# Altium PCB LAB_B3_209_V1.PcbDoc (part 3 of 4)
Units mm, origin at the board's own origin, x right, y up, seen from the top; angles counter-clockwise.
Board outline 104.65 x 97.92 mm, 6 copper layers (L1-SIG, L2-GND, L3-VCC, L4-SIG, L5-GND, L6-SIG), stack 0.63 mm thick; 372 components, 284 nets, 1235 pads, 998 vias.
Unrouted connection lines stored in the file: 2.
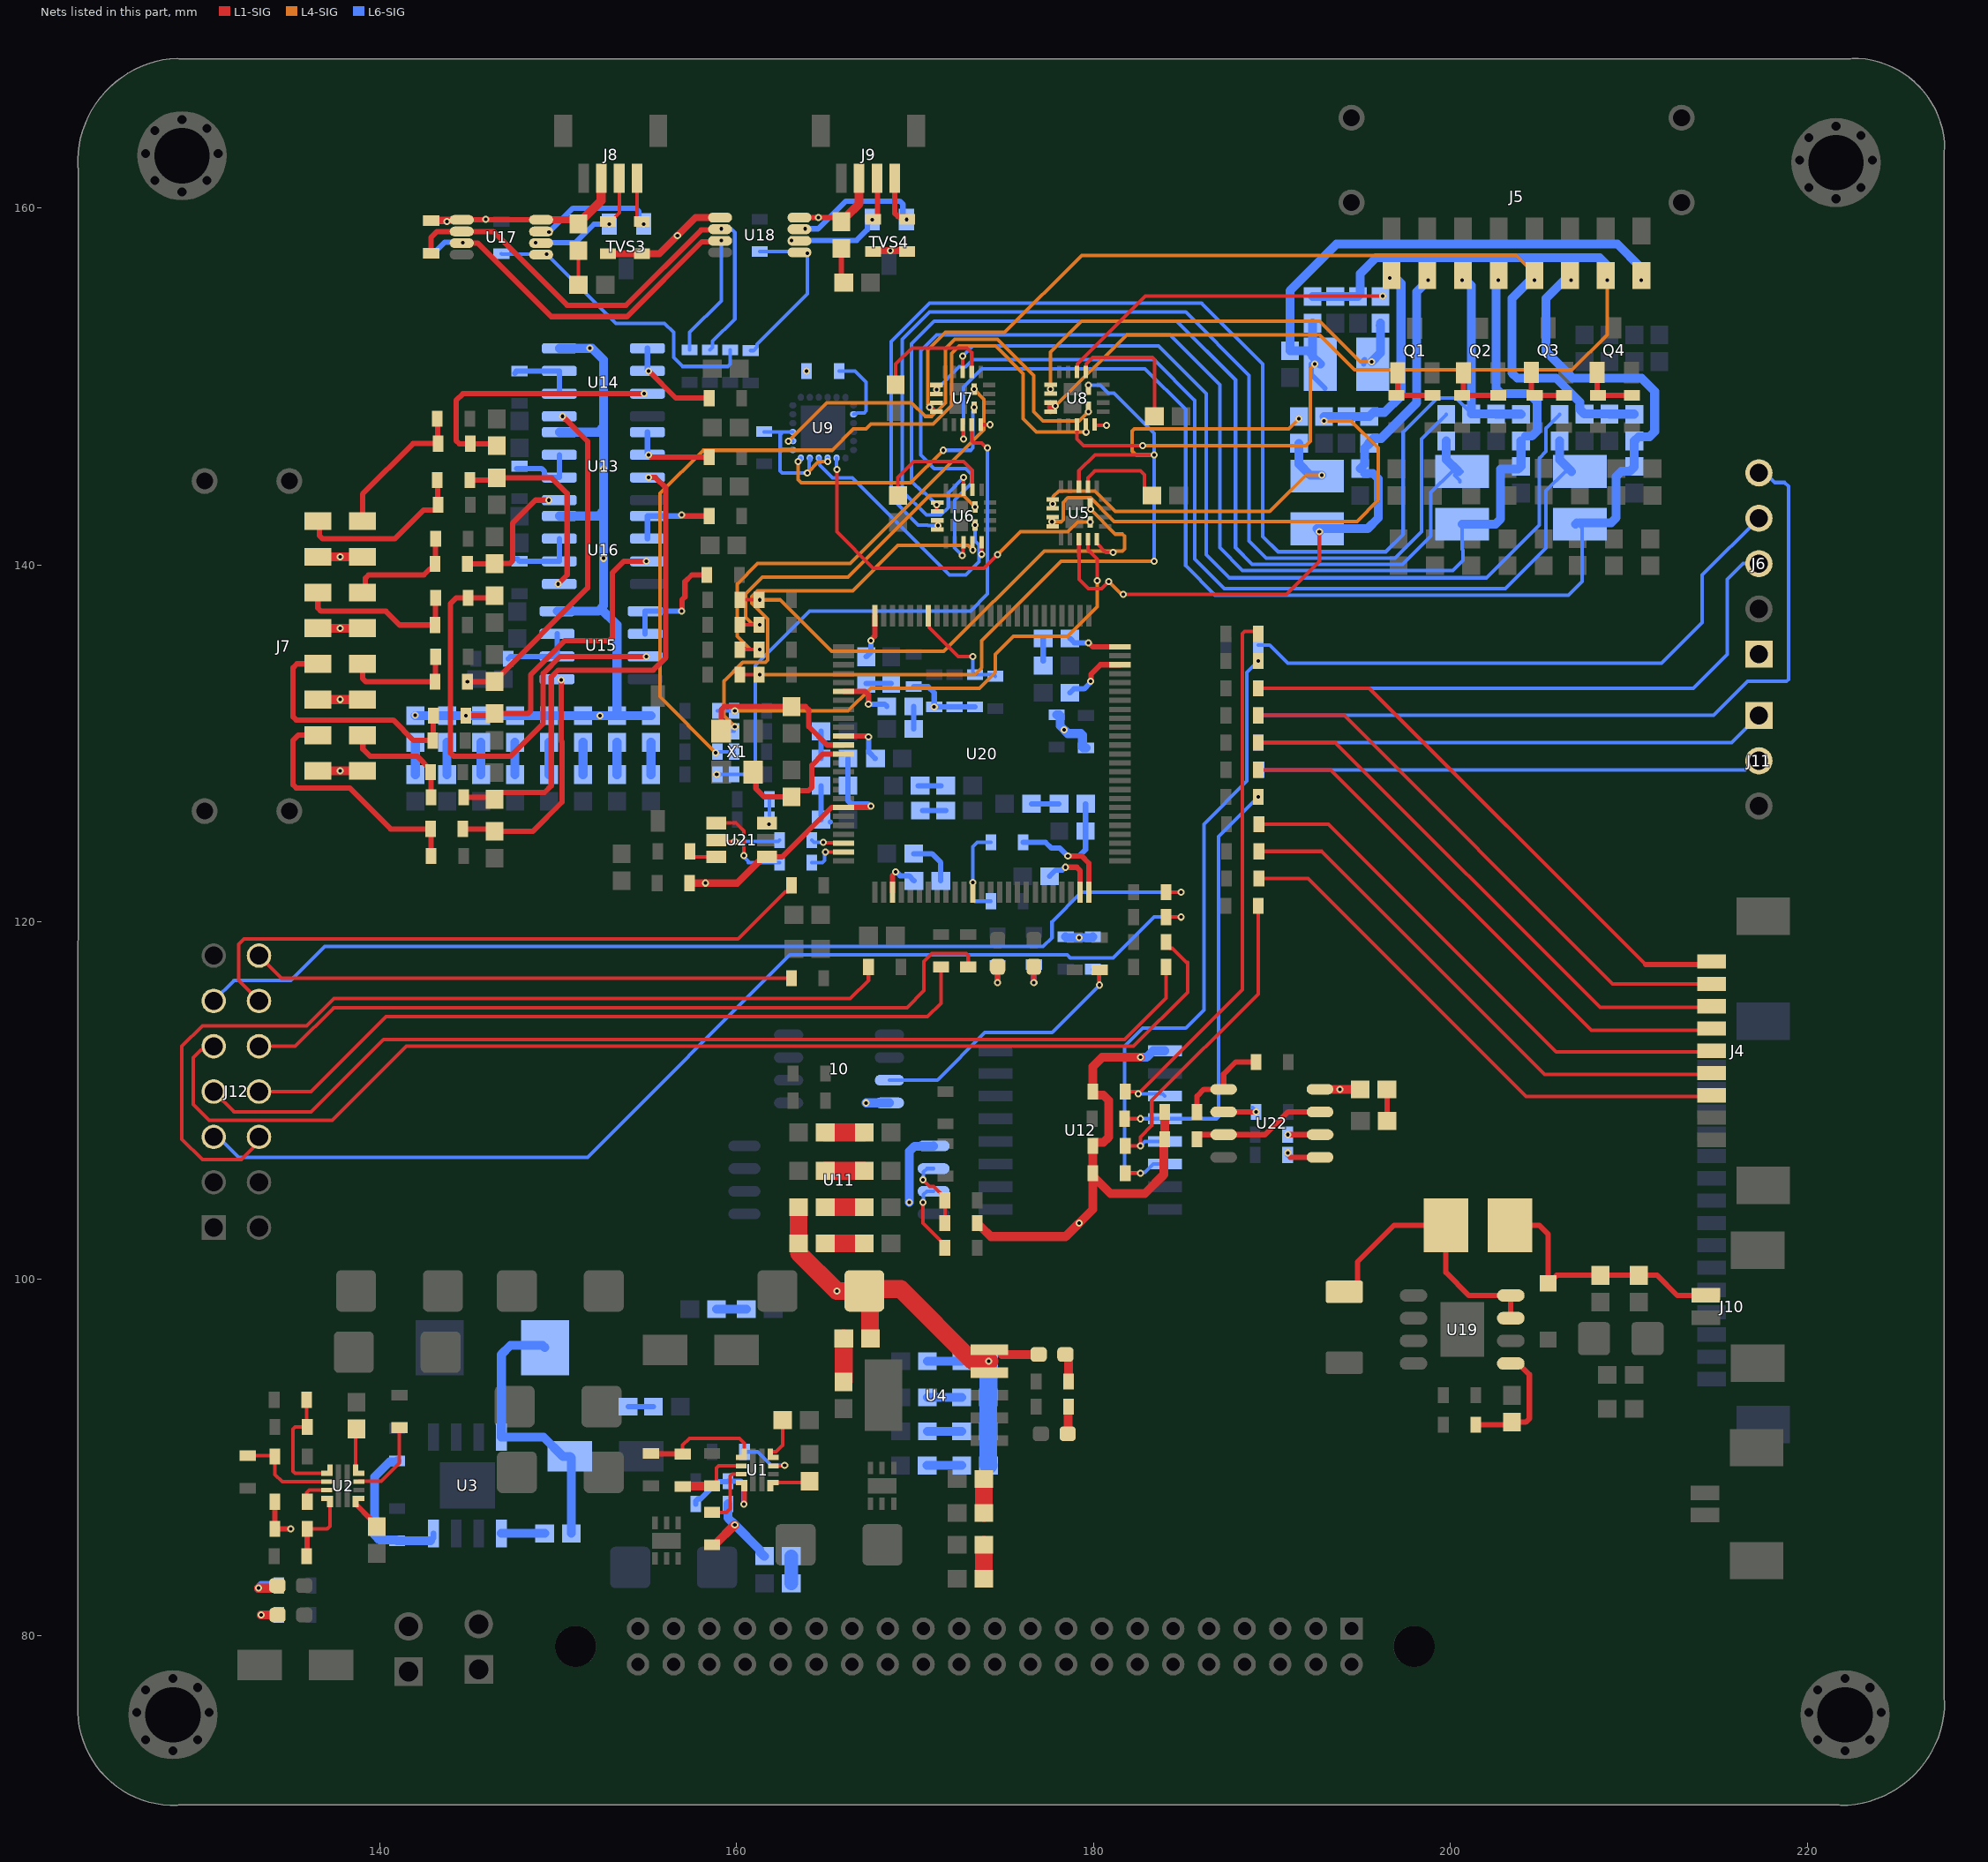
[diagram p7: the nets of this part, all layers, seen from the top]

## Via types
v1: diameter 0.4/0.4/0.4/0.4/0.4/0.4 (per signal layer), hole 0.2, L1-SIG to L6-SIG, tented both sides, 612 vias
v2: diameter 0.4, hole 0.2, L1-SIG to L6-SIG, tented both sides, 205 vias
v3: diameter 0.4, hole 0.2, L1-SIG to L2-GND, tented both sides, 46 vias
v4: diameter 0.4, hole 0.2, L5-GND to L6-SIG, tented both sides, 33 vias
v5: diameter 0.4, hole 0.2, L1-SIG to L4-SIG, tented both sides, 32 vias
v6: diameter 0.4, hole 0.2, L4-SIG to L6-SIG, tented both sides, 28 vias
v7: diameter 0.4, hole 0.2, L1-SIG to L3-VCC, tented both sides, 16 vias
v8: diameter 0.4, hole 0.2, L3-VCC to L6-SIG, tented both sides, 14 vias
v9: diameter 0.5, hole 0.2, L1-SIG to L6-SIG, tented both sides, 6 vias
v10: diameter 0.5, hole 0.2, L1-SIG to L2-GND, tented both sides, 6 vias

## Nets (pads, with @x,y where several pads share a name; then routed paths per layer and width w, separated by ;. In a path a pad name is that pad's centre, name@x,y a point inside that pad or via, vN(x,y) a via of type N, cw(c..) or ccw(c..) an arc to the next point about the centre after c; other vN are vias at no path point) (continued)
Net10_7: 10.7 R40.1 R44.2 | length 16
  L1-SIG w0.2: v2(180.34,116.459) R44.2@180.34,117.31
  L6-SIG w0.2: 10.7@168.56,111.125 171.243,111.125 173.91,113.792 177.673,113.792 v2(180.34,116.459) 180.309,116.49 180.309,117.148 180.109,117.348 R40.1@179.959,117.348
NetC3_2: C3.2 U1.7 | length 2.2
  L1-SIG w0.2: U1.7@161.883,88.406 U1.7@162.008,88.531 ; U1.7@162.058,88.581 C3.2@164.083,88.581
NetC4_2: C4.2 U1.10 | length 2.4
  L1-SIG w0.2: U1.10@161.883,90.156 161.883,90.263 161.933,90.313 162.216,90.313 162.571,90.668 C4.2@162.571,92.075
NetC5_1: C5.1 D2.2 L1.1 U3.8 | length 16
  L6-SIG w0.5: L1.1@149.253,96.139 149.126,96.266 147.319,96.266 146.811,95.758 U3.8@146.811,91.125 149.171,91.125 150.253,90.043 D2.2@150.653,90.043 150.736,89.96 C5.1@150.736,85.725
NetC5_2: C5.2 U3.1 | length 2.4
  L6-SIG w0.5: U3.1@146.811,85.725 C5.2@149.236,85.725
NetC6_1: C6.1 C10.2 | length 1.4
  L6-SIG w0.3: C6.1@153.911,92.837 C10.2@155.332,92.837
NetC7_2: C7.2 C11.1 | length 1.9
  L1-SIG w1: C11.1@173.851,83.185 C7.2@173.851,85.09
NetC14_2: C14.2 U2.7 | length 1.9
  L1-SIG w0.3: U2.7@138.646,87.517 138.646,87.367 139.476,86.537 139.476,86.456 C14.2@139.826,86.106
NetC15_2: C15.2 U2.10 | length 2.3
  L1-SIG w0.2: U2.10@138.646,89.267 138.646,91.542 C15.2@138.683,91.579
NetC16_1: C16.1 C20.2 | length 1.9
  L1-SIG w1: C20.2@173.851,86.868 C16.1@173.851,88.773
NetC19_1: C19.1 C21.2 | length 2.4
  L1-SIG w1: C21.2@165.989,94.222 165.989,94.247 166.001,94.259 C19.1@166.001,96.647
NetC36_1: C36.1 C38.1 | length 1.9
  L6-SIG w0.5: C38.1@170.688,91.44 C36.1@172.605,91.44
NetC37_1: C37.1 C39.1 | length 1.9
  L6-SIG w0.5: C37.1@170.676,89.535 C39.1@172.617,89.535
NetC40_1: C40.1 L2.1 U5.6 U5.7 | length 20.1
  L1-SIG w0.2: U5.7@177.706,143.174 v5(177.706,143.424) U5.6@177.706,143.674
  L4-SIG w0.2: v5(177.706,143.424) 177.744,143.462 177.744,143.835 178.054,144.145 180.086,144.145 181.229,143.002 189.865,143.002 191.897,145.034 v6(192.786,145.034)
  L6-SIG w0.5: C40.1@191.516,146.824 191.516,145.66 192.142,145.034 v6(192.786,145.034)
NetC40_2: C40.2 U5.3 | length 17.5
  L1-SIG w0.2: U5.3@179.181,144.399 179.181,145.272 180.086,146.177 v5(183.388,146.177)
  L4-SIG w0.2: v5(183.388,146.177) 182.372,146.177 182.167,146.382 182.167,147.506 182.284,147.623 190.93,147.623 v6(191.516,148.209)
NetC41_1: C41.1 L3.1 U6.6 U6.7 | length 58.8
  L1-SIG w0.2: v2@171.191,143.373 171.196,143.368 171.196,143.023 171.221,142.998 U6.7@171.245,142.998 ; v2(171.196,143.383) 171.196,143.449 U6.6@171.245,143.498
  L6-SIG w0.2: v2(171.196,143.383) 170.521,144.058 170.435,144.058 169.799,144.694 169.799,152.4 171.069,153.67 184.658,153.67 187.96,150.368 187.96,140.97 188.887,140.043 197.32,140.043 198.91,141.633 198.91,144.064 200.085,145.239 200.446,145.239 L3.1@200.66,145.239 ; L3.1@200.23,145.034 200.533,144.731 L3.1@200.533,144.653
  L6-SIG w0.5: C41.1@199.771,146.951 199.771,145.914 L3.1@200.446,145.239
NetC41_2: C41.2 U6.3 | length 63.2
  L1-SIG w0.2: U6.3@172.72,144.223 v2(172.72,144.907)
  L6-SIG w0.2: v2(172.72,144.907) 171.862,144.049 171.862,143.229 171.431,142.798 170.638,142.798 169.281,144.155 169.281,152.657 170.802,154.178 185.166,154.178 188.722,150.622 188.722,141.351 189.68,140.393 196.908,140.393 198.374,141.859 198.374,147.054 199.346,148.026 199.371,148.026 199.771,148.426 C41.2@199.771,148.451
NetC44_2: C44.2 U5.2 | length 5.3
  L1-SIG w0.2: U5.2@179.681,144.399 179.689,144.407 179.689,144.891 180.072,145.274 182.64,145.274 182.848,145.066 182.848,144.291 183.248,143.891 C44.2@183.273,143.891
NetC45_2: C45.2 U6.2 | length 6.8
  L1-SIG w0.2: C45.2@169.037,143.891 169.037,144.907 169.926,145.796 172.72,145.796 173.22,145.296 U6.2@173.22,144.223
NetC60_1: C60.1 C62.1 | length 1.9
  L6-SIG w0.5: C62.1@170.688,93.345 C60.1@172.605,93.345
NetC61_1: C61.1 C63.1 | length 1.9
  L6-SIG w0.5: C61.1@170.688,95.377 C63.1@172.617,95.377
NetC64_1: C64.1 L5.1 U8.6 U8.7 | length 25.1
  L1-SIG w0.2: U8.7@177.595,149.602 v5(177.595,149.852) U8.6@177.595,150.102
  L4-SIG w0.2: v5(177.595,149.852) 177.595,151.941 179.324,153.67 192.659,153.67 194.945,151.384 v6(195.58,151.384)
  L6-SIG w0.3: L5.1@195.15,151.257 195.15,151.462 L5.1@195.199,151.511 ; C64.1@195.961,153.428 C64.1@196.088,153.555
  L6-SIG w0.5: v6(195.58,151.384) 196.088,151.892 C64.1@196.088,153.555
NetC64_2: C64.2 U8.3 | length 19.1
  L1-SIG w0.2: U8.3@179.07,150.827 179.095,150.852 179.095,151.269 182.893,155.067 v2(196.215,155.067)
NetC65_1: C65.1 L4.1 U7.6 U7.7 | length 53.9
  L1-SIG w0.2: U7.7@171.196,149.59 v2(171.196,149.84) U7.6@171.196,150.09
  L6-SIG w0.2: v2(171.196,149.84) 172.475,151.119 172.848,151.119 173.24,151.511 183.388,151.511 185.674,149.225 185.674,140.335 187.325,138.684 203.083,138.684 205.359,140.96 205.359,144.163 206.435,145.239 L4.1@206.796,145.239
  L6-SIG w0.5: C65.1@206.121,146.951 206.121,145.914 L4.1@206.796,145.239
NetC65_2: C65.2 U7.3 | length 52
  L1-SIG w0.2: v2(172.662,151.707) 172.666,151.702 172.666,150.82 U7.3@172.671,150.815
  L6-SIG w0.2: v2(172.662,151.707) 173.228,152.273 183.642,152.273 186.309,149.606 186.309,140.589 187.615,139.283 202.021,139.283 204.978,142.24 204.978,145.986 205.362,146.37 205.362,147.667 206.121,148.426 C65.2@206.121,148.451
NetC68_2: C68.2 U7.2 | length 7
  L1-SIG w0.2: C68.2@168.91,150.102 168.91,151.257 169.81,152.157 172.916,152.157 173.171,151.902 U7.2@173.171,150.815
NetC69_2: C69.2 U8.2 | length 7.7
  L1-SIG w0.2: U8.2@179.57,150.827 179.595,150.852 179.595,151.274 179.961,151.64 183.295,151.64 183.412,151.523 C69.2@183.412,148.336
NetC71_1: C71.1 C73.2 | length 1.7
  L6-SIG w0.5: C71.1@158.865,98.298 C73.2@160.54,98.298
NetC72_1: C72.1 C74.2 | length 1.5
  L6-SIG w0.75: C72.1@163.056,84.455 C74.2@163.056,82.931 C74.2@163.062,82.925
NetC75_1: C75.1 C77.2 | length 2.2
  L1-SIG w1: C75.1@164.961,106.045 C77.2@167.144,106.045
NetC76_1: C76.1 C78.2 | length 2.2
  L1-SIG w1: C76.1@164.961,101.981 C78.2@167.144,101.981
NetC79_1: C79.1 C81.2 | length 2.2
  L1-SIG w1: C79.1@164.961,108.204 C81.2@167.144,108.204
NetC80_1: C80.1 C82.2 | length 2.2
  L1-SIG w1: C80.1@164.961,104.013 C82.2@167.144,104.013
NetC85_2: C85.2 C86.1 | length 1.8
  L6-SIG w0.5: C86.1@143.764,128.258 C85.2@143.764,130.06
NetC87_2: C87.2 C88.1 | length 1.8
  L6-SIG w0.5: C88.1@141.986,128.258 C87.2@141.986,130.06
NetC89_1: C89.1 R68.2 U13.3 | length 29
  L1-SIG w0.3: R68.2@144.691,126.988 146.316,126.988 C89.1@146.431,126.873 146.431,126.898 146.781,127.248 146.806,127.248 146.812,127.254 149.225,127.254 149.606,127.635 149.606,133.731 149.987,134.112 155.321,134.112 156.027,134.818 156.027,144.328 155.448,144.907 v2(155.067,144.907)
NetC90_1: C90.1 R69.1 U13.5 | length 7.3
  L1-SIG w0.3: R69.1@144.907,140.069 146.419,140.069 C90.1@146.431,140.081 147.271,140.081 147.447,140.257 147.447,142.367 148.717,143.637 v2(149.479,143.637)
NetC93_1: C93.1 C94.2 | length 1.8
  L6-SIG w0.5: C93.1@147.574,128.258 C94.2@147.574,130.06
NetC95_2: C95.2 C96.1 | length 1.8
  L6-SIG w0.5: C96.1@153.289,128.258 C95.2@153.289,130.06
NetC97_1: C97.1 R74.1 U14.5 | length 19.1
  L1-SIG w0.3: v3(144.907,133.465) 146.419,133.465 C97.1@146.431,133.477 146.431,133.502 151.638,138.709 151.638,146.939 v2(150.241,148.336)
NetC99_1: C99.1 R75.2 U14.3 | length 15.4
  L1-SIG w0.3: C99.1@146.558,146.685 146.443,146.8 R75.2@145.072,146.8 144.448,146.8 144.272,146.976 144.272,149.225 144.653,149.606 v2(154.813,149.606)
NetC101_2: C101.2 C102.1 | length 1.8
  L6-SIG w0.5: C102.1@151.384,128.258 C101.2@151.384,130.06
NetC103_2: C103.2 C104.1 | length 1.8
  L6-SIG w0.5: C104.1@149.479,128.258 C103.2@149.479,130.06
NetC105_1: C105.1 R79.1 U15.5 | length 13.1
  L1-SIG w0.3: R79.1@144.653,125.21 C105.1@146.419,125.21 ; C105.1@146.431,125.071 148.566,125.071 150.205,126.71 150.205,130.097 150.159,130.144 v2(150.159,133.558)
NetC107_1: C107.1 R81.2 U15.3 | length 26
  L1-SIG w0.3: C107.1@146.431,138.279 146.316,138.164 R81.2@144.945,138.164 144.284,138.164 143.96,137.841 143.96,129.462 144.136,129.286 147.32,129.286 149.156,131.122 149.156,133.917 150.113,134.874 v2(154.94,134.874)
NetC109_2: C109.2 C110.1 | length 1.8
  L6-SIG w0.5: C110.1@145.669,128.258 C109.2@145.669,130.06
NetC111_2: C111.2 C112.1 | length 1.8
  L6-SIG w0.5: C112.1@155.194,128.258 C111.2@155.194,130.06
NetC113_1: C113.1 R86.2 U16.3 | length 17
  L1-SIG w0.3: v3(144.818,131.56) 146.316,131.56 C113.1@146.431,131.675 148.287,131.675 148.463,131.851 148.463,133.861 150.365,135.763 152.859,135.763 153.035,135.939 153.035,139.573 153.67,140.208 v2(154.94,140.208)
NetC115_1: C115.1 R87.1 U16.5 | length 11.2
  L1-SIG w0.3: R87.1@145.034,144.768 146.443,144.768 C115.1@146.558,144.883 149.63,144.883 150.495,144.018 150.495,139.446 v2(149.987,138.938)
NetC117_2: C117.2 C119.1 | length 2
  L1-SIG w0.3: C117.2@165.862,157.746 165.862,155.968 C119.1@166.001,155.829
NetC118_2: C118.2 C120.1 | length 1.9
  L1-SIG w0.2: C120.1@151.13,155.702 C118.2@151.13,157.619
NetC123_2: C123.2 C124.2 D5.1 J10.2 L6.2 | length 14.6
  L1-SIG w0.3: L6.2@203.349,102.997 204.978,102.997 205.486,102.489 D5.1@205.486,99.746 205.511,99.746 205.956,100.191 C124.2@210.566,100.191 211.594,100.191 212.725,99.06 214.313,99.06 J10.2@214.323,99.07
NetC125_1: C125.1 R103.1 U19.5 | length 6.9
  L1-SIG w0.3: R103.1@201.422,91.821 203.315,91.821 C125.1@203.454,91.96 204.228,91.96 204.428,92.16 204.428,94.632 203.81,95.25 U19.5@203.385,95.25
NetC126_2: C126.2 C129.1 | length 2.8
  L6-SIG w0.3: C129.1@169.914,123.825 170.942,123.825 171.438,123.329 C126.2@171.438,122.301
NetC127_2: C127.2 C130.1 | length 1.3
  L6-SIG w0.3: C130.1@177.177,134.62 C127.2@177.177,135.89
NetC131_2: C131.2 C141.1 | length 1.3
  L6-SIG w0.3: C131.2@170.422,126.238 C141.1@171.716,126.238
NetC132_2: C132.2 C140.1 | length 1.5
  L6-SIG w0.3: C140.1@176.518,126.619 C132.2@178.066,126.619
NetC133_2: C133.2 C142.1 | length 1.3
  L6-SIG w0.3: C133.2@170.168,127.635 C142.1@171.462,127.635
NetC134_1: C134.1 U20.73 | length 3.7
  L1-SIG w0.3: v2(179.832,133.477) 179.851,133.496 179.851,133.877 180.387,134.413 U20.73@181.486,134.413
  L6-SIG w0.3: C134.1@178.677,132.842 178.897,133.062 179.476,133.062 179.813,133.399 179.813,133.458 v2(179.832,133.477)
NetC135_1: C135.1 U20.49 | length 3.2
  L1-SIG w0.3: v2@178.462,123.063 179.06,123.063 179.236,122.887 U20.49@179.236,121.663
  L6-SIG w0.3: C135.1@177.534,122.555 177.884,122.905 178.25,122.905 178.408,123.063 v2(178.435,123.063)
NetC136_2: C136.2 C144.1 | length 1.9
  L6-SIG w0.3: C144.1@164.731,125.73 C136.2@164.731,127.635
NetC137_2: C137.2 C145.1 | length 1.3
  L6-SIG w0.3: C145.1@169.914,130.81 C137.2@169.914,132.08
NetC138_2: C138.2 C146.1 | length 1.4
  L6-SIG w0.3: C138.2@167.259,133.362 C146.1@168.656,133.362
NetC143_2: C143.2 C148.1 | length 1.5
  L6-SIG w0.3: C143.2@164.731,129.159 C148.1@164.731,130.683
NetC150_1: C150.1 U20.13 X1.1 | length 7.8
  L1-SIG w0.3: X1.1@160.92,128.39 161.078,128.232 161.078,127.466 161.532,127.012 C150.1@163.068,127.012 163.416,127.36 164.035,127.36 164.211,127.536 164.211,128.778 164.846,129.413 U20.13@165.986,129.413
NetC151_1: C151.1 U20.12 X1.3 | length 9.6
  L1-SIG w0.3: X1.3@159.12,130.69 159.131,130.701 159.131,131.892 159.307,132.068 163.86,132.068 164.036,131.892 164.036,130.94 165.063,129.913 U20.12@165.986,129.913
NetC155_2: C155.2 C156.1 | length 1.8
  L1-SIG w0.3: C155.2@196.445,110.617 196.445,108.851 C156.1@196.457,108.839
NetD4_A: D4.A L6.1 U19.7 U19.8 | length 16
  L1-SIG w0.3: D4.A@194.056,99.267 194.313,99.267 194.797,99.751 194.797,100.944 196.85,102.997 L6.1@199.749,102.997 199.749,100.352 201.041,99.06 U19.8@203.385,99.06 U19.7@203.385,97.79
NetDS1_K: DS1.K R5.2 | length 1.9
  L1-SIG w0.5: v2(133.35,81.153) DS1.K@134.263,81.153
  L6-SIG w0.5: v2(133.35,81.153) R5.2@134.328,81.153
NetDS2_K: DS2.K R10.2 | length 1.5
  L1-SIG w0.5: DS2.K@178.55,91.313 178.575,91.338 178.575,92.812 R10.2@178.6,92.837
NetDS3_K: DS3.K R16.2 | length 2.3
  L1-SIG w0.5: v2(133.203,82.657) 134.104,82.657 DS3.K@134.251,82.804
  L6-SIG w0.5: v2(133.203,82.657) 133.35,82.804 134.278,82.804 R16.2@134.328,82.804
NetDS4_K: DS4.K R20.2 | length 1.6
  L1-SIG w0.5: DS4.K@178.423,95.758 178.435,95.758 178.6,95.593 R20.2@178.6,94.234
NetDS5_K: DS5.K R111.2 | length 1.9
  L1-SIG w0.3: v2(174.625,116.586) DS5.K@174.625,117.487
  L6-SIG w0.3: v2(174.625,116.586) R111.2@174.625,117.564
NetDS6_K: DS6.K R112.1 | length 2.3
  L1-SIG w0.2: DS6.K@176.657,117.487 DS6.K@176.938,117.206
  L1-SIG w0.3: v2(176.657,116.586) DS6.K@176.657,117.487
  L6-SIG w0.3: v2(176.657,116.586) R112.1@176.657,117.602
NetJ4_3: J4.3 R128.2 | length 30.8
  L1-SIG w0.2: R128.2@189.268,122.428 192.024,122.428 204.246,110.206 J4.3@215.032,110.206
NetJ4_4: J4.4 R129.2 | length 30.9
  L1-SIG w0.2: R129.2@189.268,123.952 192.786,123.952 205.282,111.456 J4.4@215.032,111.456
NetJ4_5: J4.5 R130.2 | length 31.1
  L1-SIG w0.2: R130.2@189.268,125.476 193.167,125.476 205.937,112.706 J4.5@215.032,112.706
NetJ4_6: J4.6 R131.2 | length 31.9
  L1-SIG w0.2: R131.2@189.23,128.524 193.294,128.524 207.899,113.919 214.995,113.919 J4.6@215.032,113.956
NetJ4_7: J4.7 R132.2 | length 32
  L1-SIG w0.2: R132.2@189.23,130.048 193.548,130.048 208.39,115.206 J4.7@215.032,115.206 ; R132.2@189.33,130.202 R132.2@189.357,130.175
NetJ4_8: J4.8 R133.2 | length 31.6
  L1-SIG w0.2: R133.2@189.23,131.572 194.056,131.572 209.102,116.526 J4.8@214.643,116.526
NetJ4_9: J4.9 R134.2 | length 32.3
  L1-SIG w0.2: R134.2@189.23,133.096 195.453,133.096 210.947,117.602 ; J4.9@214.928,117.602 J4.9@215.032,117.706
  L1-SIG w0.3: 210.947,117.602 J4.9@214.928,117.602
NetJ6_3: J6.3 R115.1 | length 33.4
  L6-SIG w0.2: R115.1@189.23,133.096 213.614,133.096 215.519,135.001 215.519,139.192 216.408,140.081 J6.3@217.297,140.081
NetJ6_4: J6.4 R116.1 | length 33.4
  L6-SIG w0.2: R116.1@189.23,135.509 189.865,135.509 190.881,134.493 211.836,134.493 214.122,136.779 214.122,139.446 J6.4@217.297,142.621
NetJ6_5: J6.5 R117.1 | length 43.3
  L6-SIG w0.2: R117.1@189.23,131.572 214.757,131.572 216.662,133.477 218.831,133.477 218.948,133.594 218.948,144.409 218.731,144.626 218.19,144.626 217.654,145.161 J6.5@217.297,145.161
NetJ8_3: J8.3 R92.1 TVS3.1 U17.6 | length 7.3
  L1-SIG w0.2: R92.1@152.781,159.258 152.931,159.258 153.416,159.743 J8.3@153.416,161.671
  L6-SIG w0.3: v2(148.717,158.069) 150.957,158.069 151.994,159.106 v2(152.857,159.106)
NetJ8_4: J8.4 R93.1 TVS3.2 U17.7 | length 9.1
  L1-SIG w0.2: J8.4@154.416,161.671 154.416,159.458 154.616,159.258 R93.1@154.686,159.258
  L6-SIG w0.3: v2(149.482,158.667) 150.82,160.006 154.332,160.006 154.507,159.83 154.507,159.386 v2(154.782,159.111)
NetJ9_3: J9.3 R99.1 TVS4.1 U18.6 | length 7.6
  L1-SIG w0.3: R99.1@167.64,159.385 167.744,159.385 167.894,159.535 167.894,161.639 J9.3@167.862,161.671
  L6-SIG w0.3: v2(163.064,158.198) 166.718,158.198 167.314,158.794 167.314,159.085 v2(167.589,159.36)
NetJ9_4: J9.4 R100.1 TVS4.2 U18.7 | length 9.9
  L1-SIG w0.3: J9.4@168.862,161.671 168.862,159.711 169.038,159.535 169.522,159.535 R100.1@169.545,159.512
  L6-SIG w0.3: v2(163.83,158.846) 164.561,158.846 166.116,160.401 169.138,160.401 169.313,160.225 169.313,159.566 v2(169.514,159.365)
NetJ11_1: J11.1 R113.1 | length 28.7
  L6-SIG w0.2: R113.1@189.23,130.048 215.773,130.048 J11.1@217.297,131.572
NetJ11_2: J11.2 R114.1 | length 28.2
  L6-SIG w0.2: R114.1@189.268,128.524 216.52,128.524 217.028,129.032 J11.2@217.297,129.032
NetJ12_05: J12.05 R8.2 | length 61.3
  L1-SIG w0.2: R8.2@184.061,120.269 v2(184.912,120.269)
  L6-SIG w0.2: J12.05@130.683,107.95 130.937,107.95 132.08,106.807 151.638,106.807 162.983,118.152 178.518,118.152 178.687,117.983 181.102,117.983 183.388,120.269 v2(184.912,120.269)
NetJ12_06: J12.06 R120.1 | length 51.5
  L1-SIG w0.2: J12.06@133.223,107.95 133.223,107.67 132.233,106.68 130.048,106.68 128.905,107.823 128.905,113.03 130.048,114.173 135.903,114.173 137.427,115.697 166.37,115.697 167.386,116.713 R120.1@167.386,117.475
NetJ12_07: J12.07 R121.2 | length 58.2
  L1-SIG w0.2: J12.07@130.683,110.49 131.826,109.347 136.144,109.347 140.208,113.411 181.737,113.411 184.061,115.735 R121.2@184.061,117.475
NetJ12_08: J12.08 R124.1 | length 42.3
  L1-SIG w0.2: J12.08@133.223,110.49 136.144,110.49 140.335,114.681 170.688,114.681 171.45,115.443 R124.1@171.45,117.475
NetJ12_09: J12.09 R123.2 | length 66.5
  L1-SIG w0.2: J12.09@130.683,113.03 130.459,112.806 129.951,112.806 129.54,112.395 129.54,109.774 130.429,108.885 137.333,108.885 141.478,113.03 182.245,113.03 185.274,116.059 185.274,117.729 185.204,117.729 184.411,118.522 184.261,118.522 184.061,118.722 R123.2@184.061,118.872
NetJ12_10: J12.10 R122.1 | length 43.6
  L1-SIG w0.2: J12.10@133.223,113.03 135.255,113.03 137.414,115.189 169.545,115.189 170.498,116.141 170.498,117.792 170.942,118.237 172.857,118.237 172.974,118.12 R122.1@172.974,117.475
NetJ12_11: J12.11 R125.2 | length 58.1
  L1-SIG w0.2: R125.2@184.061,121.666 v2(184.912,121.666)
  L6-SIG w0.2: J12.11@130.683,115.57 131.826,116.713 135.001,116.713 136.906,118.618 177.165,118.618 177.673,119.126 177.673,120.015 179.324,121.666 v2(184.912,121.666)
NetJ12_12: J12.12 R126.1 | length 36.1
  L1-SIG w0.2: J12.12@133.223,115.57 132.08,116.713 132.08,118.755 132.37,119.045 160.066,119.045 162.718,121.697 162.868,121.697 163.068,121.897 R126.1@163.068,122.047
NetJ12_14: J12.14 R127.1 | length 30.4
  L1-SIG w0.2: J12.14@133.223,118.11 134.493,116.84 R127.1@163.068,116.84
NetQ1_1: Q1.1 R58.2 R62.2 | length 3.3
  L1-SIG w0.3: Q1.1@197.053,150.774 197.053,149.593 R62.2@196.977,149.517 R58.2@199.009,149.517
NetQ2_1: Q2.1 R59.2 R63.2 | length 3.3
  L1-SIG w0.3: Q2.1@200.736,150.774 200.736,149.593 R63.2@200.66,149.517 R59.2@202.692,149.517
NetQ3_1: Q3.1 R60.2 R64.2 | length 3
  L1-SIG w0.3: Q3.1@204.541,150.794 204.541,149.667 204.691,149.517 R64.2@204.724,149.517 R60.2@206.375,149.517
NetQ4_1: Q4.1 R61.2 R65.2 | length 3.2
  L1-SIG w0.3: Q4.1@208.224,150.794 208.224,149.573 R65.2@208.28,149.517 R61.2@210.185,149.517
NetR1_1: R1.1 R2.2 U1.1 | length 6.7
  L1-SIG w0.2: R1.1@156.971,90.17 156.971,90.678 157.352,91.059 160.146,91.059 160.433,90.772 U1.1@160.433,90.156
  L1-SIG w0.3: R2.2@155.193,90.208 155.212,90.189 156.952,90.189 R1.1@156.971,90.17
NetR1_2: R1.2 R6.1 U1.2 | length 4.2
  L1-SIG w0.2: R6.1@158.622,88.392 158.676,88.392 158.876,88.592 158.876,89.389 158.993,89.506 U1.2@160.258,89.506
  L1-SIG w0.3: R1.2@156.971,88.354 R1.2@156.99,88.373 ; R6.1@158.603,88.373 R6.1@158.622,88.392
  L1-SIG w0.5: R1.2@156.99,88.373 R6.1@158.603,88.373
NetR3_2: R3.2 R4.1 U1.4 | length 5.5
  L1-SIG w0.3: v2(160.4,87.376) 160.433,87.409 U1.4@160.433,88.406
  L6-SIG w0.3: R3.2@157.695,87.376 157.695,87.526 157.845,87.676 157.99,87.676 158.937,88.623 159.488,88.623 R4.1@159.511,88.646 160.224,88.646 160.4,88.47 v2(160.4,87.376)
NetR7_2: R7.2 U1.9 | length 3.2
  L1-SIG w0.2: U1.9@162.058,89.506 162.657,89.506 v2(162.686,89.535)
  L6-SIG w0.2: R7.2@160.438,90.297 161.162,90.297 161.924,89.535 v2(162.686,89.535) v2@162.716,89.505
NetR9_1: R9.1 R11.2 U3.4 | length 8.7
  L6-SIG w0.3: U3.4@142.851,85.306 143.001,85.456 U3.4@143.001,85.725
  L6-SIG w0.5: R9.1@140.969,89.789 140.919,89.739 140.543,89.739 139.699,88.895 139.699,85.649 139.992,85.356 140.919,85.356 R11.2@140.969,85.306 U3.4@142.851,85.306